# KiCad board MegaDrive.kicad_pcb (continued)
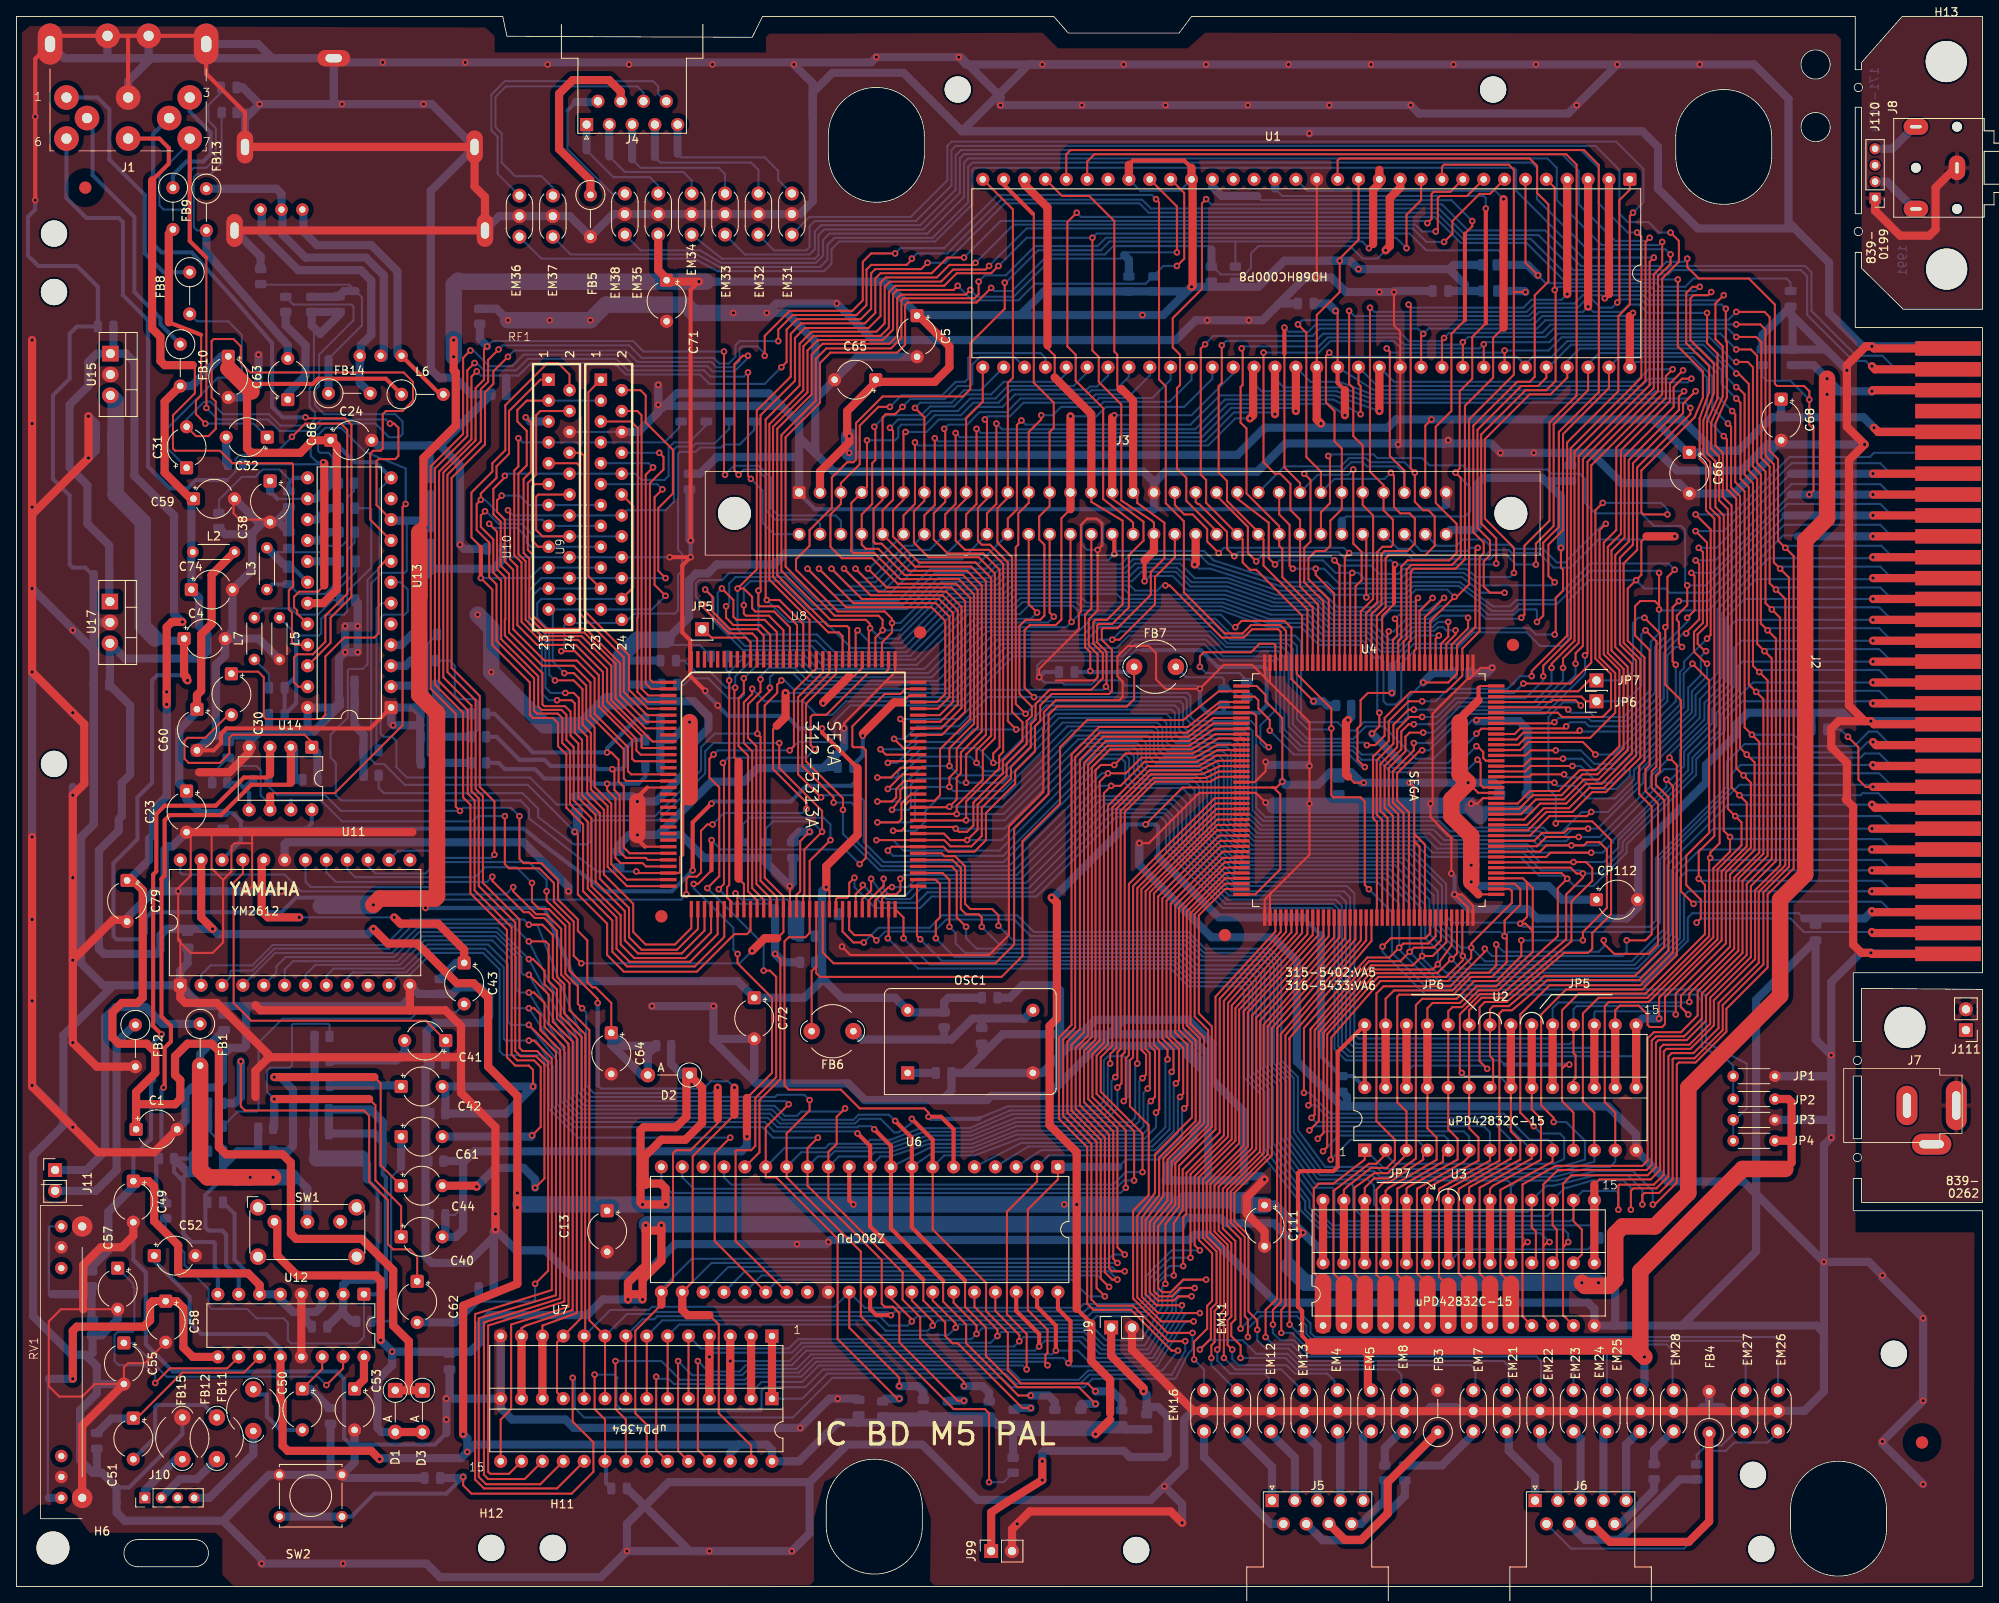
[diagram p0: board, top side]
## Routing (per net, layer and track width the routed paths; a pad name or vN(x,y) marks a point on that pad's centre or on a via; arc(x,y) is an arc through that point) (continued)
  Top w1: 78.49,34.29 U6.21 ; 85.34,56.9 v1(85.34,60.71)
  Bottom w0.25: U11.16 40.26,87.25 41.22,86.29 55.81,86.29 57.02,87.5 60.83,87.5 v1(62.74,85.6) ; v1(132.84,98.93) 132.08,98.93 120.78,87.63 105.28,87.63 102.36,90.55 102.36,94.62 101.6,95.38 v1(99.44,95.38) ; 78.49,36.2 82.17,39.88 132.97,39.88 133.48,40.39 v1(134.87,40.39) ; v1(85.34,60.71) 84.65,60.01 70.29,60.01 69.34,60.96 69.34,69.85 v1(68.83,70.36)
/~{ZRES}: length 214.8
  Top w0.25: v1(132.46,35.31) 131.44,36.32 131.44,54.1 127.89,57.66 127.89,66.29 129.41,67.82 129.41,100.58 132.21,103.38 142.62,103.38 145.67,105.66 148.21,105.66 ; v1(86.87,54.61) 84.98,52.72 84.98,42.02 U6.26
  Bottom w0.25: U11.11 46.46,74.28 47.73,74.28 50.55,77.09 56.77,77.09 58.8,75.06 58.8,65.15 59.31,64.64 63.75,64.64 64.77,62.99 64.77,58.17 68.33,54.61 v1(86.87,54.61) ; v1(132.46,35.31) 130.43,35.31 128.4,37.34 92.71,37.34 U6.26
/~{ZWR}: length 325
  Top w0.25: U6.22 82.3,37.08 82.3,52.32 87.38,57.4 ; v1(97.92,96.01) 95.12,98.81 95.12,108.2 98.13,111.21 U8.108 ; v1(64.52,84.58) 64.52,83.44 67.31,80.65 67.31,74.93 70.74,71.5 v1(70.74,70.99) ; 84.33,33.02 85.47,31.88 85.47,21.08 89.41,17.15 U7.27 ; v1(133.99,39.37) 133.48,39.88 133.48,55.37 129.92,58.93 129.92,65.15 131.32,66.55 131.32,99.31 131.95,99.95 v1(133.6,99.95) 135,101.35 143.13,101.35 146.3,103.18 149.42,103.18 149.46,103.15 149.46,103.06
  Top w1: U6.22 81.03,33.66 81.66,33.02 84.33,33.02 ; 87.38,57.4 v1(87.38,60.71)
  Bottom w0.25: v1(64.52,84.58) 64.52,85.98 62.36,88.14 51.18,88.14 49.78,86.74 43.69,86.74 42.8,87.63 42.8,88.39 ; v1(87.38,60.71) 86.61,61.47 84.51,61.47 83.62,60.58 71.12,60.58 70.74,60.96 ; v1(133.6,99.95) 131.95,99.95 120.14,88.14 105.54,88.14 103.12,90.55 103.12,95.63 102.49,96.27 98.17,96.27 v1(97.92,96.01) ; U6.22 84.58,39.37 v1(133.99,39.37)
  Bottom w0.5: 70.74,60.96 v1(70.74,70.99)
MCLK: length 94.6
  Top w0.25: FB6.2 96.77,74.88 97.33,75.44 ; U8.52 97.33,75.44 ; 97.33,75.44 97.33,74.62 97.79,74.17 119.89,74.17 122.43,76.71 122.43,90.68 127,95.25 127,102.11 130.3,105.41 141.99,105.41 146.3,108.91 149.46,108.91
PA0: length 65.4
  Top w0.25: v1(145.42,27.81) 145.42,29.34 145.81,29.73 145.81,33.53 146.5,34.22 146.5,40.95 144.85,42.6 144.85,49.15 149.35,53.65 149.35,69.98 157.61,79.12 157.76,79.27 157.76,81.76
  Bottom w0.25: v1(145.42,27.81) 145.42,26.92 148.46,23.88
PA1: length 68.9
  Top w0.25: v1(146.14,28.83) 146.43,29.12 146.43,33.15 146.95,33.67 146.95,41.39 145.3,43.04 145.3,48.96 149.86,53.52 149.86,69.85 158.41,79.25 158.41,81.76
  Bottom w0.25: v1(146.14,28.83) 146.14,27.47 147.7,25.91 151.89,25.91 152.4,25.4 152.4,24.13
PA2: length 71.2
  Top w0.25: v1(146.94,27.81) 146.94,32.71 147.4,33.17 147.4,41.58 145.8,43.18 145.8,48.77 150.37,53.34 150.37,69.47 159.06,79.12 159.06,81.76
  Bottom w0.25: v1(146.94,27.81) 148.34,26.42 153.92,26.42 156.46,23.88
PA3: length 74.7
  Top w0.25: 159.71,81.76 159.71,79.12 152.15,70.49 150.88,69.22 150.88,53.21 146.3,48.64 146.3,43.31 147.85,41.76 147.85,32.85 147.39,32.39 147.39,29.4 v1(147.95,28.83)
  Bottom w0.25: 160.4,24.26 160.4,25.02 159.51,25.91 155.57,25.91 154.56,26.92 148.72,26.92 147.95,27.69 v1(147.95,28.83)
PA4: length 64.9
  Top w0.25: v1(143.32,27.62) 143.29,27.65 143.29,29.76 144.91,31.37 144.91,34.16 145.5,34.76 145.5,40.55 143.89,42.16 143.89,49.78 148.35,54.24 148.35,70.37 156.46,79.5 156.46,81.76
  Bottom w0.25: v1(143.32,27.62) 144.53,26.42 EM16.1
PA5: length 82.5
  Top w0.25: 160.36,81.76 160.36,78.99 151.38,68.83 151.33,68.78 151.33,52.9 146.81,48.39 146.81,43.56 148.34,42.04 148.34,32.5 147.84,32 147.84,30.47 148.97,29.34 v1(148.97,27.81)
  Bottom w0.25: v1(148.97,27.81) 154.43,27.81 155.83,26.42 167.89,26.42 168.53,25.78 168.53,24.26
PA6: length 97.2
  Top w0.25: 157.11,81.76 157.11,79.38 149.1,70.48 148.8,70.18 148.8,53.93 144.4,49.53 144.4,42.42 146.05,40.77 146.05,34.48 145.36,33.78 145.36,30.17 v1(144.02,28.83)
  Bottom w0.25: 177.55,24.13 177.55,26.42 177.04,26.92 156.08,26.92 154.69,28.32 150.88,28.32 149.23,29.97 145.16,29.97 v1(144.02,28.83)
PB0: length 93
  Top w0.25: v1(151,31.24) 151,32.39 149.93,33.46 149.93,42.73 148.22,44.44 148.22,47.89 152.78,52.45 152.78,67.95 162.31,78.74 162.31,81.76
  Bottom w0.25: v1(151,31.24) 151,29.97 152.02,28.96 154.81,28.96 156.34,27.43 180.98,27.43 181.61,26.8 181.61,24.13
PB1: length 93.8
  Top w0.25: 162.96,81.76 162.96,78.74 154.56,69.09 153.42,67.94 153.42,35.05 152.02,33.66 v1(152.02,30.35)
  Bottom w0.25: 185.55,24 185.55,27.43 184.98,28 156.66,28 155.19,29.46 152.91,29.46 v1(152.02,30.35)
PB2: length 96.7
  Top w0.25: 163.61,81.76 163.61,78.61 153.87,67.18 153.87,34.61 152.91,33.66 v1(152.91,31.88)
  Bottom w0.25: EM23.1 189.48,27.81 188.85,28.45 156.97,28.45 155.45,29.97 153.79,29.97 152.91,30.85 v1(152.91,31.88)
PB3: length 99.8
  Top w0.25: v1(153.92,30.86) 153.92,33.66 154.43,34.16 154.43,67.06 164.26,78.61 164.26,81.76
  Bottom w0.25: v1(153.92,30.86) 155.19,30.86 157.1,28.96 192.91,28.96 193.55,28.32 EM24.1
PB4: length 130.8
  Top w0.25: 160.91,78.86 161.01,78.96 161.01,81.76 ; 160.91,78.86 160.91,78.87 ; 160.91,78.86 151.78,68.33 151.78,52.71 147.32,48.26 147.32,43.94 148.97,42.29 v1(148.97,31.37)
  Bottom w0.25: EM26.1 214.38,29.97 214,30.35 157.99,30.35 157.48,30.86 157.48,32 156.08,33.4 151,33.4 v1(148.97,31.37)
PB5: length 106.2
  Top w0.25: v1(154.94,31.88) 154.94,66.62 154.88,66.68 164.85,78.49 164.91,78.55 164.91,81.76
  Bottom w0.25: 201.55,24 201.55,28.7 200.8,29.45 157.36,29.45 v1(154.94,31.88)
PB6: length 127.2
  Top w0.25: v1(149.86,30.36) 149.86,30.36 149.86,32.51 149.48,32.89 149.48,42.55 147.77,44.25 147.77,48.07 152.27,52.58 152.27,68.19 152.28,68.19 161.67,78.87 161.66,81.76
  Bottom w0.25: v1(149.86,30.36) 149.86,31.37 151.38,32.89 155.83,32.89 156.97,31.75 156.97,30.73 ; 156.97,30.73 157.8,29.9 209.75,29.9 210.44,29.21 210.44,24
PC0: length 223.7
  Top w0.25: v1(196.72,167.13) 196.34,166.75 196.34,155.96 194.94,154.56 194.94,145.42 188.71,139.18 188.71,115.69 184.4,111.38 v1(184.4,110.74) ; v1(171.07,107.7) 169.42,107.7 167,105.28 167,102.87 165.09,100.95 165.09,93.48 165.56,93.02 165.56,81.76
  Bottom w0.25: v1(171.07,107.7) 172.72,107.7 174.24,109.22 181.48,109.22 183.01,110.74 v1(184.4,110.74) ; EM31.1 96.52,166.62 108.84,166.62 113.28,171.07 113.28,175.26 113.79,175.77 194.69,175.77 197.99,172.47 197.99,168.4 v1(196.72,167.13)
PC1: length 237.1
  Top w0.25: v1(183.39,109.86) 189.1,109.86 191.64,112.4 191.64,136.4 200.28,145.03 200.28,159.13 202.31,161.16 202.31,163.7 v1(201.3,164.72) ; v1(170.05,106.68) 169.42,106.68 167.57,104.83 167.57,102.55 165.54,100.52 165.54,93.92 166.21,93.26 166.21,81.76
  Bottom w0.25: v1(170.05,106.68) 172.72,106.68 174.75,108.71 182.25,108.71 v1(183.39,109.86) ; v1(201.3,164.72) 199.9,164.72 198.63,165.99 196.09,165.99 195.07,167.01 195.07,172.34 192.15,175.26 114.3,175.26 113.79,174.75 113.79,170.43 109.47,166.12 97.16,166.12 96.52,165.48 96.52,162.94 96.14,162.56 92.2,162.56 EM32.1
PC2: length 231.3
  Top w0.25: 166.86,81.76 166.86,93.49 165.99,94.36 165.99,100.08 168.02,102.11 168.02,104.27 169.55,105.79 v1(171.07,105.79) ; v1(197.23,164.72) 197.74,164.21 197.74,147.07 189.16,138.49 189.16,115.37 185.8,112.01 v1(185.8,110.74)
  Bottom w0.25: v1(185.8,110.74) 185.8,110.24 183.64,108.08 175.13,108.08 172.85,105.79 v1(171.07,105.79) ; v1(197.23,164.72) 196.09,164.72 192.53,168.28 192.53,172.59 190.37,174.75 114.93,174.75 114.3,174.12 114.3,169.93 109.98,165.61 97.92,165.61 97.16,164.85 97.16,162.69 96.52,162.05 88.65,162.05 EM33.1
PC3: length 237.1
  Top w0.25: v1(198.75,164.08) 198.25,163.58 198.25,146.69 189.61,138.05 189.61,115.06 186.82,112.27 v1(186.82,111.76) ; 167.51,81.76 167.51,93.73 166.5,94.74 166.5,99.82 168.53,101.85 168.53,104.01 169.42,104.9 v1(170.05,104.9)
  Bottom w0.25: v1(170.05,104.9) 172.72,104.9 175.39,107.57 184.66,107.57 186.82,109.73 v1(186.82,111.76) ; v1(198.75,164.08) 198.37,163.7 194.56,163.7 190.12,168.15 190.12,172.21 188.09,174.24 115.32,174.24 114.81,173.74 114.81,169.55 110.36,165.1 98.3,165.1 97.61,164.41 97.61,161.99 97.16,161.54 85.85,161.54 EM34.1
PC4: length 255.2
  Top w0.25: v1(199.26,161.67) 198.75,161.16 198.75,146.18 190.12,137.54 190.12,114.81 188.21,112.9 v1(188.21,111.76) ; 168.16,81.76 168.16,93.97 167,95.12 167,99.57 169.04,101.6 169.04,103.38 169.55,103.89 v1(171.2,103.89)
  Bottom w0.25: v1(188.21,111.76) 188.21,110.24 185.04,107.06 175.64,107.06 172.47,103.89 v1(171.2,103.89) ; EM36.1 63.88,161.54 82.42,161.54 85.34,160.02 98.3,160.02 99.19,160.91 99.19,162.69 100.13,163.63 111.82,163.63 116.33,168.15 116.33,172.34 116.59,172.59 182.25,172.59 182.5,172.34 182.5,169.8 190.63,161.67 v1(199.26,161.67)
PC5: length 245.7
  Top w0.25: v1(189.74,112.27) 189.74,113.54 190.63,114.43 190.63,137.16 199.26,145.8 199.26,159.64 200.28,160.66 v1(200.28,163.58) ; v1(170.05,102.62) 170.05,101.73 167.51,99.19 167.51,95.38 168.81,94.08 168.81,81.76
  Bottom w0.25: v1(200.28,163.58) 199.9,163.2 192.91,163.2 187.45,168.66 187.45,172.59 186.31,173.74 115.82,173.74 115.32,173.23 115.32,169.04 110.87,164.59 98.93,164.59 98.17,163.83 98.17,161.92 97.28,161.04 85.72,161.04 83.19,162.56 75.95,162.56 EM38.1 ; v1(189.74,112.27) 189.74,110.87 185.48,106.61 176.08,106.61 172.08,102.62 v1(170.05,102.62)
PC6: length 254
  Top w0.25: 169.46,81.76 169.46,94.2 168.02,95.63 168.02,98.93 170.81,101.73 v1(171.07,101.73) ; v1(201.3,162.05) 201.3,160.91 199.77,159.39 199.77,145.42 191.19,136.84 191.19,113.6 v1(190.88,113.28)
  Bottom w0.25: v1(171.07,101.73) 171.96,101.73 176.39,106.16 186.04,106.16 190.88,111 v1(190.88,113.28) ; EM37.1 67.44,162.05 82.8,162.05 85.6,160.53 97.79,160.53 98.68,161.42 98.68,163.2 99.57,164.08 111.51,164.08 115.82,168.4 115.82,172.72 116.33,173.23 184.4,173.23 185.04,172.59 185.04,168.78 191.13,162.69 200.66,162.69 v1(201.3,162.05)
Net-(C25-Pad1): length 10.6
  Bottom w1: R18.2 R17.2 53.47,106.17 51.05,108.59 C25.1
Net-(C26-Pad1): length 18.2
  Bottom w0.25: R19.2 56.16,104.22 56.16,107.67 55.88,107.95 53.85,107.95 53.34,108.46 53.34,112.01 52.7,112.65 C26.1
  Bottom w1: R19.2 R20.2
Net-(C27-Pad1): length 20.8
  Bottom w0.25: R22.2 50.07,101.19 50.07,114.71 C27.1
  Bottom w1: R21.2 R22.2
Net-(C28-Pad2): length 11.9
  Bottom w1: C29.1 41.15,104.78 42.24,103.68 R23.2
Net-(C30-Pad2): length 31.8
  Top w0.25: 35.94,102.74 35.05,103.63 26.29,103.63 25.91,103.25 25.91,101.35 24.77,100.2 20.95,100.2 20.45,100.71 20.45,102.87 20.83,103.25 22.99,103.25 25.91,106.17
  Bottom w1: U14.1 36.62,101.43 36.62,98.17
Net-(C31-Pad1): length 29.5
  Bottom w0.25: 20.45,136.4 17.91,138.94 17.91,140.45 24.26,146.8 24.26,146.81 24.51,147.07 26.54,147.07 27.43,147.96 27.43,152.27 25.78,153.92 21.97,153.92 FB8.2
Net-(C32-Pad1): length 35.4
  Top w0.25: v1(22.99,141.48) 21.84,142.62 21.84,144.27 22.48,144.91 22.48,152.15 ; FB9.2 18.54,164.59
  Top w0.5: 18.54,153.8 22.48,152.27
  Top w1: 18.54,164.59 18.54,153.8
  Bottom w0.25: C32.1 28.88,141.48 v1(22.99,141.48)
Net-(C32-Pad2): length 3.4
  Bottom w1: C32.2 25.53,136.73 R25.1
Net-(C33-Pad2): length 17.4
  Bottom w0.25: L7.2 30.1,119 33.4,119 34.16,118.24 36.7,118.24 38.48,120.02 R26.2 39.37,121.54 41.27,123.44 C33.2
Net-(C35-Pad2): length 16.8
  Bottom w0.25: R27.2 41.15,127 40.26,126.11 40.26,123.44 37.57,120.76 34.31,120.76 C35.2
  Bottom w0.5: C35.2 31.12,121.93 L3.1
Net-(C37-Pad1): length 43.2
  Bottom w0.25: R28.2 43.05,131.19 43.18,131.06 43.18,123.95 40.26,121.03 40.26,118.62 39.88,118.24 37.59,118.24 37.08,117.73 37.08,115.95 36.83,115.7 34.16,115.7 L5.2
  Bottom w0.5: 32.64,109.34 C37.1 34.04,107.44 34.04,111.25 ; 34.16,115.7 34.04,115.57 34.04,111.25 ; C96.2 34.04,110.75 34.04,111.25
Net-(C40-Pad1): length 51.7
  Top w0.25: 42.93,59.31 43.69,58.55 43.69,49.4 46.82,46.28 C40.1
  Top w1: v1(31.37,59.31) 42.93,59.31
  Bottom w0.25: R34.1 38.1,68.33 37.97,68.45 33.66,68.45 33.53,68.33 33.53,63.37 33.27,63.12 30.86,63.12 30.48,62.74 30.48,60.2 v1(31.37,59.31)
  Bottom w1: v1(31.37,59.31) 31.37,55.88 R37.1
Net-(C41-Pad2): length 11
  Bottom w1: R35.1 46.23,64.01 47.24,65.02 C41.2
Net-(C42-Pad1): length 8.5
  Bottom w1: 38.15,60.96 46.69,60.96
Net-(C43-Pad2): length 40.3
  Bottom w0.25: C43.2 53.47,69.85 48.77,69.85 48.01,69.09 32.39,69.09 29.46,66.17 29.46,58.04 29.21,57.79 26.92,57.79 R38.1
Net-(C44-Pad1): length 39.2
  Top w0.25: C44.1 44.32,51.26 44.32,61.21 43.56,61.98
  Top w1: v1(31.37,61.98) 43.56,61.98
  Bottom w1: v1(31.37,61.98) 32.13,61.98 33.66,60.45 33.66,53.59 33.02,52.96 R39.1
Net-(C50-Pad2): length 9.6
  Bottom w0.5: C50.2 32.13,19.05 30.48,20.7 30.48,23.37 29.46,23.37 FB11.2
Net-(C51-Pad2): length 15.7
  Bottom w0.5: C51.2 16.89,18.16 16.89,21.84 17.15,22.1 22.86,22.1 FB12.2
Net-(C61-Pad1): length 25.2
  Bottom w0.25: R51.2 45.21,32.26 45.59,32.64 45.59,49.78 46.82,51.01
  Bottom w1: 46.82,51.01 C61.1
Net-(C62-Pad1): length 52.1
  Top w0.25: v1(27.31,63.88) 27.31,58.42 27.81,57.91 42.29,57.91 42.93,57.28 42.93,49.28 45.21,46.99 45.21,41.66 45.85,41.02 47.88,41.02 48.77,40.13 C62.1
  Bottom w1: v1(27.31,63.88) 27.31,59.56 26.54,58.8 25.19,58.8
Net-(C86-Pad1): length 12.6
  Bottom w1: R70.1 32.77,153.42 35.18,151 35.18,147.32 33.02,145.16 C86.1
Net-(C86-Pad2): length 37.3
  Bottom w0.25: FB13.2 21.97,164.97 21.59,165.35 21.59,171.45 21.97,171.83 23.62,171.83 24.97,173.18 R71.2
  Bottom w1: FB13.2 23.11,162.31 33.02,151 C86.2
Net-(C87-Pad1): length 31.9
  Bottom w0.25: 37.97,149.35 42.04,153.42 42.04,156.85 40.51,158.37 29.8,158.37
  Bottom w1: 41.28,157.61 39.88,157.61 C87.1 39.16,156.89 R72.2 ; FB14.1 37.97,149.35
Net-(C92-Pad2): length 10.8
  Bottom w0.25: 141.1,111.89 142.37,110.62 146.69,110.62 146.94,110.36 C92.2 147.7,109.22 148.72,108.2 R85.2
Net-(C96-Pad1): length 4.2
  Bottom w0.25: L7.1 30.73,111 C96.1
Net-(EM4-Pad3): length 8.5
  Bottom w1: EM4.3 160.78,18.5 161.11,18.17 J5.4
Net-(EM5-Pad3): length 9
  Bottom w1: J5.5 163.88,18.29 164.46,18.88 EM5.3
Net-(EM7-Pad3): length 10.3
  Bottom w1: 177.55,18.8 173.48,14.73 R4.1
Net-(EM8-Pad3): length 5.4
  Bottom w1: EM8.3 168.53,18.88 166.52,16.87 R5.1
Net-(EM11-Pad3): length 10
  Bottom w1: J5.1 152.8,14.54 148.59,18.75
Net-(EM12-Pad3): length 9.4
  Bottom w1: 152.65,18.62 155.57,15.71 J5.2
Net-(EM13-Pad3): length 8.8
  Bottom w1: 156.72,18.62 158.34,17 J5.3
Net-(EM16-Pad3): length 16.2
  Bottom w1: J5.6 152.64,7.62 144.53,15.74 EM16.3
Net-(EM21-Pad3): length 9.8
  Bottom w1: J6.1 184.81,13.31 181.61,16.51 181.61,18.62 EM21.3
Net-(EM22-Pad3): length 9.1
  Bottom w1: 185.55,18.75 185.55,17.2 187.58,15.16 J6.2
Net-(EM23-Pad3): length 8.8
  Bottom w1: J6.3 190.35,18.01 EM23.3
Net-(EM24-Pad3): length 8.6
  Bottom w1: EM24.3 193.12,18.45 J6.4
Net-(EM25-Pad3): length 9.1
  Bottom w1: 197.49,18.88 195.89,17.28 J6.5
Net-(EM26-Pad3): length 40.2
  Bottom w0.25: J6.6 189.2,4.62 202.95,4.62 205.94,7.62 205.94,16.08 206.38,16.51 208.03,16.51 209.04,17.53 213.11,17.53 214.38,18.8
Net-(EM27-Pad3): length 8.3
  Bottom w0.25: R6.2 204.47,16 205.61,17.15 207.52,17.15 209.17,18.8 210.44,18.8
Net-(EM28-Pad3): length 4.9
  Bottom w1: 201.55,18.88 199.29,16.62 R7.2
Net-(EM31-Pad3): length 20.3
  Bottom w0.25: 80.46,174.3 80.9,173.86 91.06,173.86 92.71,172.21 92.71,171.12 EM31.3
  Bottom w1: 80.46,178.06 80.46,174.3
Net-(EM32-Pad3): length 20.3
  Bottom w0.25: 77.69,173.9 78.36,173.23 89.41,173.23 90.3,172.34 EM32.3
  Bottom w1: 77.69,173.9 77.69,178.06
Net-(EM33-Pad3): length 18.9
  Bottom w0.25: EM33.3 86.23,171.83 85.47,172.59 75.95,172.59 74.92,173.62
  Bottom w1: 74.92,173.62 74.92,178.06
Net-(EM34-Pad3): length 16.9
  Bottom w0.25: EM34.3 82.17,171.07 81.15,172.09 74.04,172.09 72.15,173.98
  Bottom w1: 72.15,173.98 72.15,178.06
Net-(EM35-Pad3): length 14.8
  Bottom w0.25: EM35.3 78.11,170.43 77.09,171.45 72.64,171.45 69.38,174.71
  Bottom w1: 69.38,174.71 69.38,178.06
Net-(EM36-Pad3): length 37.3
  Bottom w0.25: 79.08,180.6 78.11,181.57 78.11,182.5 77.47,183.13 59.44,183.13 57.78,181.48 57.78,177.17 58.55,176.4 58.55,171.88 EM36.3
Net-(EM37-Pad3): length 36.8
  Bottom w0.25: 76.31,180.6 76.31,181.76 75.56,182.5 59.56,182.5 58.29,181.23 58.29,177.55 59.06,176.78 59.06,173.23 60.71,171.58 63.88,171.58 65.28,170.18 EM37.3
Net-(EM38-Pad3): length 18.1
  Bottom w0.25: 67.06,179.58 67.06,174.88 72.47,169.47 EM38.3
  Bottom w0.5: 68.08,180.6 67.06,179.58
  Bottom w1: 70.77,180.6 68.08,180.6
Net-(FB3-Pad1): length 21.7
  Top w1: J5.8 161.66,5.69 163.68,5.69 166.88,8.89 166.88,12.7 FB3.1
Net-(FB4-Pad1): length 26.9
  Top w1: FB4.1 205.99,7.92 203.5,5.44 193.92,5.44 J6.8
Net-(FB5-Pad1): length 23.9
  Top w1: 73.53,180.6 73.53,181.86 72.14,183.26 67.69,183.26 66.04,181.61 66.04,174.88 69.85,171.07 FB5.1
Net-(FB8-Pad1): length 31.5
  Bottom w0.5: FB8.1 17.91,159.89 15.62,162.18 15.62,169.29 11.3,173.61 11.3,179.71 9.86,181.15 J1.1
Net-(FB9-Pad1): length 15.1
  Bottom w0.5: FB9.1 19.05,171.7 20.7,173.36 22.73,173.36 23.62,174.24 23.62,176.91 21.09,179.44 J1.3
Net-(FB10-Pad1): length 31.3
  Bottom w0.5: FB10.1 17.53,153.54 17.53,154.31 14.35,157.48 14.35,166.62 9.27,171.7 9.27,177.97
Net-(J5-Pad7): length 16.9
  Bottom w1: J5.7 158.94,5.64 163.58,5.64 168.96,11.02 R4.2
Net-(J5-Pad9): length 7.6
  Bottom w1: J5.9 163.63,7.62 166.52,10.52 R5.2
Net-(J6-Pad7): length 19.3
  Bottom w1: J6.7 190.9,5.69 195.07,5.69 202.42,13.03 R6.1
Net-(J6-Pad9): length 7.8
  Bottom w1: J6.9 195.17,7.62 199.29,11.74 R7.1
Net-(J9-Pin_1): length 51
  Top w1: J99.1 118.62,9.02 120.52,10.29 v1(124.84,12.95) v1(124.84,15.24) ; v1(137.16,23.75) 137.16,24.13 133.22,28.07 133.22,31.37
  Bottom w1: 137.54,21.84 137.54,23.37 v1(137.16,23.75) ; 137.54,21.84 R3.2 ; 137.54,21.84 138.94,21.84 140.08,20.7 140.08,16.13 139.7,15.75 135.51,15.75 134.75,16.51 125.1,16.51 124.84,16.26 v1(124.84,15.24)
Net-(J10-Pin_1): length 7
  Bottom w0.5: J10.1 15.62,11.68 ; 19.43,15.49 FB15.1
  Bottom w1: 15.62,11.68 19.43,15.49
Net-(J10-Pin_2): length 8.7
  Bottom w1: FB12.1 21.97,13.08 19.91,13.08 J10.2
Net-(J10-Pin_4): length 12.2
  Bottom w1: FB11.1 28.83,16.13 23.5,10.8 J10.4
Net-(J11-Pin_1): length 36.2
  Bottom w1: J11.1 8.51,50.67 10.8,52.96 10.8,69.22 12.06,70.49 15.75,70.49 17.78,68.45 FB1.1
Net-(J11-Pin_2): length 27.1
  Bottom w1: J11.2 9.65,48.13 12.19,50.67 12.19,66.17 14.35,68.33
Net-(J110-Pin_2): length 6.2
  Bottom w1: J110.2 227.65,170.91 230.97,167.59
Net-(J110-Pin_4): length 5.9
  Bottom w1: J110.4 228.28,174.91 230.97,177.59
Net-(OSC1-OUT): length 26.4
  Bottom w1: 117.48,67.95 117.48,69.09 ; 117.48,69.09 116.33,69.09 113.79,66.55 112.9,66.55 ; 117.48,69.09 122.68,69.09 OSC1.8 ; FB6.1 102.87,66.55 112.9,66.55 ; 112.9,66.55 R69.1
Net-(OSC1-Vcontrol): length 3.4
  Bottom w1: C122.1 OSC1.1
Net-(R58-Pad1): length 18.9
  Bottom w0.25: 4.32,35.56 3.94,35.94 3.94,43.69 4.06,43.82 5.46,43.82
  Bottom w1: R66.1 9.14,32.51 9.14,35.56 ; 9.14,35.56 R58.1 ; 9.14,35.56 4.32,35.56
Net-(RF1-+B): length 32.4
  Top w0.5: RF1.1 51.56,145.03
  Bottom w1: 34.92,167.01 34.92,164.85 36.58,163.2 43.18,163.2 46.36,160.02 46.36,149.86
Net-(RF1-AUDIO): length 33.4
  Bottom w1: RF1.3 41.78,146.43 FB14.2 ; 41.91,149.23 41.91,151 43.18,152.27 43.18,158.88 41.91,160.15 34.29,160.15 29.84,164.59 29.84,167.01
Net-(RF1-VIDEO): length 38.3
  Bottom w1: RF1.2 32.26,169.42 31.62,170.05 FB13.1 ; 44.7,149.48 44.7,159.51 42.55,161.67 35.18,161.67 32.39,164.47 32.39,167.01
Net-(SW1-B): length 43.1
  Top w2: 22.35,63.37 22.35,50.67 23.24,49.78 26.67,49.78 ; 26.67,49.78 v1(28.45,49.78) ; 26.67,49.78 v1(31.24,49.78)
  Bottom w1: 22.35,63.37 22.35,64.78 C121.1 ; v1(31.24,49.78) 34.04,49.78 35.4,48.42 SW1.2
  Bottom w2: v1(28.45,49.78) 33.53,49.78
Net-(U4-EDCK): length 20.1
  Top w0.25: v1(144.02,111.89) 144.02,113.16 144.53,113.67 150.24,113.67 151.26,114.68 153.04,114.68 153.21,114.51 153.21,112.01
  Bottom w0.25: v1(144.02,111.89) 144.78,111.13 148.84,111.13 149.73,110.24
Net-(U4-~{WAIT}): length 135.7
  Top w0.25: 149.46,104.36 145.8,104.36 142.75,102.3 132.78,102.3 130.42,99.94 130.42,67.05 128.91,65.53 128.91,58.17 132.46,54.61 132.46,38.23 133.35,37.34 v1(133.99,37.34)
  Bottom w0.25: U6.24 88.65,38.35 132.97,38.35 v1(133.99,37.34)
Net-(U4-~{WRES}): length 223.3
  Top w0.25: 149.46,95.26 145.93,95.26 135.89,85.22 135.89,64.39 135.51,64.01 135.51,58.42 137.8,56.13 137.8,47.63 137.78,47.61 135.89,45.72 135.89,35.05 140.08,30.86 v1(143.13,30.86) ; v1(67.69,25.4) 67.69,20.07 70.21,17.54 70.21,13.95 67.56,11.3 55.37,11.3 54.36,12.32 v1(54.36,13.34)
  Bottom w0.25: v1(143.13,30.86) 143.13,28.87 142.59,28.34 141.1,25.4 140.97,25.27 130.94,25.27 129.91,24.25 121.04,24.25 119.89,25.4 99.31,25.4 94.49,20.57 69.09,20.57 67.95,21.72 67.95,25.15 v1(67.69,25.4)
  Bottom w0.5: SW2.2 40.77,8.51 43.56,11.3 52.32,11.3 v1(54.36,13.34)
  Bottom w1: C80.1 54.23,13.21 v1(54.36,13.34) ; SW2.2 SW2.2
Net-(U4-~{ZBR}): length 133.4
  Top w0.25: v1(132.97,36.45) 131.95,37.47 131.95,54.36 128.4,57.91 128.4,65.91 129.92,67.44 129.92,100.2 132.59,102.87 142.75,102.87 145.67,105.01 149.46,105.01
  Bottom w0.25: v1(132.97,36.45) 131.57,37.85 90.68,37.85 U6.25
Net-(U8-B): length 38.3
  Top w0.25: U8.29 76.61,87.6 76.2,88.01 73.53,88.01 72.9,88.65 72.9,95.89 71.88,96.9 v1(71.88,97.66)
  Bottom w0.5: R21.1 58.67,100.2 59.44,99.44 63.12,99.44 64.26,98.3 69.6,98.3 70.23,97.66 v1(71.88,97.66) 75.69,97.66 76.53,98.51 R55.2
Net-(U8-CLK1): length 12.9
  Top w0.25: U8.49 94.93,84.14 95.38,84.58 95.38,90.68 v1(96.52,91.82)
  Bottom w1: v1(96.52,91.82) 95.25,91.82 94.49,91.06 C78.1
Net-(U8-G): length 40.4
  Top w0.25: v1(72.52,99.44) 72.77,99.19 72.77,96.9 73.41,96.27 73.41,89.41 74.17,88.65 76.58,88.65 76.82,88.4 U8.28
  Bottom w0.5: R19.1 58.42,103.38 61.21,100.58 64.26,100.58 65.02,99.82 70.36,99.82 70.74,99.44 v1(72.52,99.44) 73.66,99.44 74.04,99.82 74.04,101.85 75.18,103 R56.2
Net-(U8-R): length 41.7
  Top w0.25: U8.27 74.63,89.2 73.91,89.92 73.91,97.28 73.28,97.92 73.28,100.58 72.39,101.47 v1(71.88,101.47)
  Bottom w0.5: R57.2 75.44,105.54 71.88,101.98 v1(71.88,101.47) 62.86,101.47 58.17,106.17 R17.1
Net-(U8-SBCR): length 94.1
  Top w0.25: v1(92.84,102.62) 92.84,99.57 98.04,94.36 v1(98.04,91.82) 95.89,89.66 95.89,84.2 95.73,84.05 U8.50
  Bottom w0.25: R23.1 44.07,97.16 44.7,96.52 61.59,96.52 63.5,94.62 63.5,93.6 67.82,90.3 69.47,90.3 69.85,90.68 69.85,92.84 70.23,93.22 78.11,93.22 83.82,98.93 83.82,101.6 84.84,102.62 v1(92.84,102.62) ; C102.1 91.19,92.2 92.08,93.09 96.77,93.09 v1(98.04,91.82)
Net-(U8-SOUND): length 145.5
  Top w0.25: U8.95 108.19,109.2 107.57,108.59 105.66,108.59 101.73,104.65 101.73,102.24 101.85,102.11 103,102.11 103.38,101.73 103.38,88.65 v1(102.62,87.88) ; 88.9,59.44 91.95,62.48 91.95,71.63 87.76,75.82 v1(87.76,76.96) ; v1(82.42,85.47) 82.93,85.47 84.58,87.12
  Top w0.5: v1(84.58,90.81) 84.58,87.12
  Top w1: v1(88.9,54.74) 88.9,59.44
  Bottom w0.25: v1(102.62,87.88) 100.84,89.66 85.72,89.66 v1(84.58,90.81) ; v1(87.76,76.96) 87.25,77.47 87.25,80.14 82.42,84.96 v1(82.42,85.47) ; C39.1 53.34,45.21 54.36,46.23
  Bottom w1: 54.36,51.56 54.36,43.43 53.47,42.55 C40.2 52.2,42.93 C39.1 ; 54.36,51.56 54.15,51.77 R31.1 ; 54.36,51.56 55.75,52.96 88.27,52.96 88.9,53.59 v1(88.9,54.74)
Net-(U8-SPA/B): length 13.7
  Top w0.25: U8.40 87.73,84.1 v1(87.5,84.33)
  Bottom w0.25: v1(87.5,84.33) 88.27,83.57 93.85,83.57 94.87,82.55 ; 94.87,79.58 R14.1
  Bottom w2: 94.87,82.55 94.87,79.58
Net-(U10-SC): length 71.3
  Top w0.25: v1(61.09,139.7) 61.09,136.27 60.58,135.76 60.58,125.47 61.47,124.59 61.47,117.35 63.65,115.17 68.35,115.17 71.88,111.63 71.88,107.69 76.07,103.5 76.07,102.11 76.18,102 U8.11
  Bottom w0.25: v1(61.09,139.7) 61.59,139.19 U10.7 U9.7 78.87,139.19 80.64,140.97 80.64,141.48
Net-(U10-~{CAS}): length 70.3
  Top w0.25: U8.13 75.24,100.4 74.93,100.71 74.93,103 70.87,107.06 70.87,110.87 67.95,113.79 v1(66.29,113.79)
  Bottom w0.25: C108.1 89.79,140.72 88.01,138.94 86.11,138.94 85.72,138.56 83.19,138.56 82.68,138.05 80.77,138.05 80.52,137.8 80.52,126.11 81.03,125.6 81.03,123.57 80.52,123.06 80.52,118.75 80.14,118.36 75.18,118.36 74.42,117.6 U9.24 ; U10.24 66.67,116.97 66.67,114.17 v1(66.29,113.79) ; 73.28,117.22 67.69,117.22
Net-(U10-~{DT}/~{OE}): length 81.8
  Top w0.25: v1(59.44,135.13) 59.44,134.94 58.04,133.54 58.04,130.43 58.93,129.54 58.93,124.21 59.94,123.19 59.94,116.08 64.01,112.01 67.82,112.01 69.85,109.98 69.85,105.92 73.91,101.85 73.91,98.3 74.21,98 79.19,98
  Bottom w0.25: v1(59.44,135.13) 59.69,135.38 U10.10 U9.10 75.31,135.38 76.07,134.62 78.87,134.62 79.38,135.13 79.38,138.56 80.01,139.19 81.85,139.19 83.95,141.29 C109.1
Net-(U10-~{RAS}): length 78.7
  Top w0.25: v1(59.82,130.94) 60.07,130.68 60.07,124.97 60.96,124.08 60.96,116.97 63.37,114.55 68.07,114.55 71.37,111.25 71.37,107.19 75.44,103.12 75.44,101.73 75.96,101.2 U8.12
  Bottom w0.25: C107.1 86.74,140.84 84.96,139.06 82.68,139.06 82.3,138.68 80.39,138.68 80.01,138.3 80.01,131.95 78.99,130.94 74.3,130.94 U9.14 U10.14 60.45,130.3 v1(59.82,130.94)
